# Allegro board MinnowMax_RevA1.brd (continued)
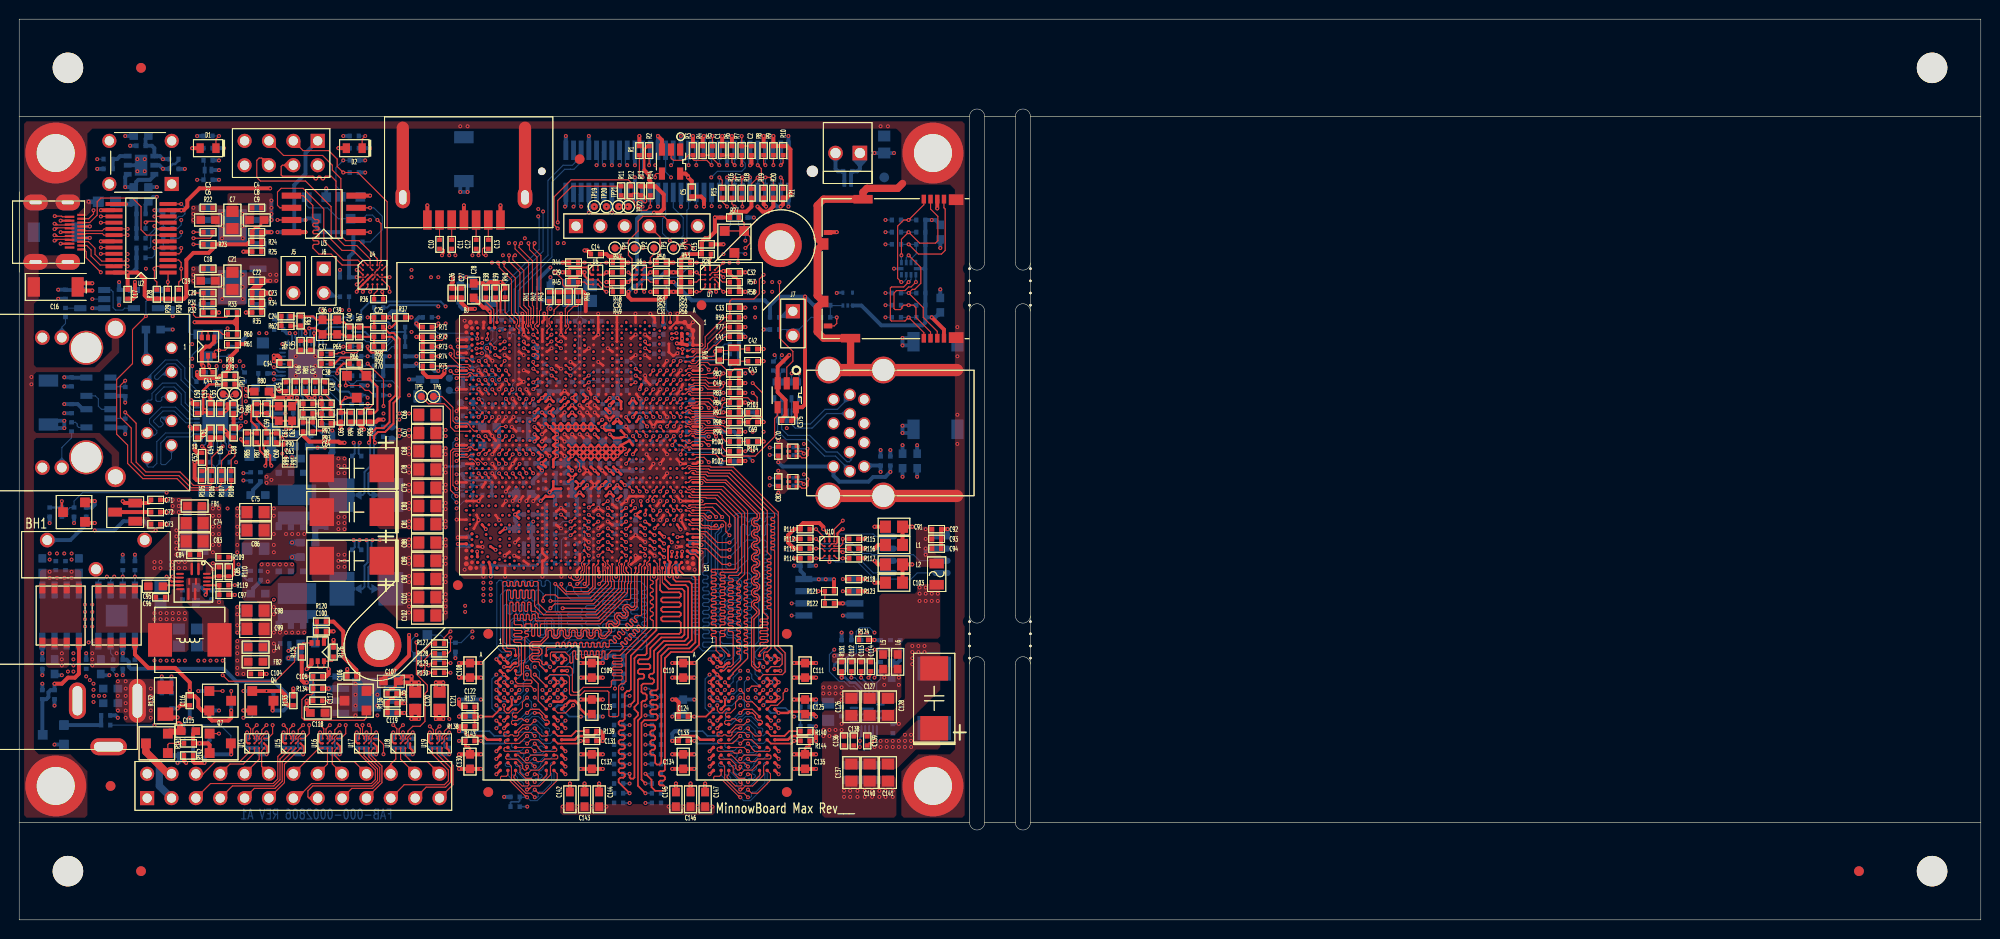
[diagram p0: board, top side]
## Nets (continued)
+V1P35S: C106.2 C107.2 FB3.1 FB4.1 FB5.1 Q5.S(SOURCE) R120.1
+VBAT: BH1.1(P1) BH1.2(P2) R278.1
+VBAT_R: D5.2(A2) R278.2
+VCC: C149.1 C367.2 D2.2(A) Q13.S(SOURCE) R125.1 R226.2 R319.2 R320.2
+VCC3: C14.2 C115.2 C159.2 C162.2 C287.2 FB7.1 P2.4(VDD) Q6.S(SOURCE) R44.2 R47.2 R48.2 R61.1 R78.2 R94.2 R95.2 R96.2 R121.2 R155.2 R156.2 R157.2 R173.2 R174.2 R180.2 R231.1 U22.10(VCC) U23.1(VCC) U33.8(VCC)
+VCC3S: C243.2 C247.2 CPU1.AM27(LPC_V1P8V3P3_S3_AM27) CPU1.AN24(VGA_V3P3_S3_AN24) CPU1.AN27(SD3_V1P8V3P3_S3_AN27) FB7.2
AVDDREG: C230.1 FB8.1 LAN1.23(VDDREG(VDD33))
GND: BH1.3(N) C1.2 C2.1 C3.1 C4.1 C5.1 C6.2 C7.1 C8.1 C14.1 C15.1 C16.1 C17.1 C18.1 C19.2 C20.1 C21.1 C22.1 C25.1 C26.1 C27.1 C28.1 C29.1 C30.1 C31.1 C32.2 C33.2 C34.1 C35.1 C37.1 C38.1 C41.2 C42.1 C43.1 C44.1 C45.2 C46.1 C47.1 C48.1 C49.2 C50.2 C51.2 C52.2 C53.2 C54.2 C55.2 C56.2 C57.2 C58.2 C60.1 C64.2 C65.1 C66.1 C67.1 C68.1 C69.1 C70.1 C71.2 C73.2 C74.1 C75.1 C76.2(N) C77.2(N) C78.1 C79.1 C80.1 C81.1 C82.1 C83.1 C84.1 C85.2 C86.1 C87.2(N) C88.1 C89.1 C90.1 C91.1 C92.1 C93.1 C94.1 C95.1 C96.2 C97.2 C98.1 C99.1 C100.1 C101.1 C102.1 C103.1 C104.1 C105.1 C106.1 C107.1 C108.2 C109.2 C110.2 C111.2 C115.1 C116.1 C117.2 C118.2 C120.2 C121.2 C122.2 C123.2 C124.2 C125.2 C126.1 C127.1 C128.1 C129.2(N) C130.2 C131.2 C132.2 C133.2 C134.2 C135.2 C136.1 C137.1 C138.1 C139.1 C140.1 C141.1 C142.2 C143.2 C144.2 C145.2 C146.2 C147.2 C148.2 C149.2 C150.2 C151.1 C153.2 C154.1 C155.1 C156.1 C157.2 C158.1 C159.1 C160.1 C161.1 C162.1 C163.2 C164.1 C165.1 C166.1 C167.1 C168.1 C169.1 C170.2 C171.2 C172.2 C173.2 C174.2 C175.1 C176.1 C181.2 C182.2 C183.2 C184.1 C186.2 C193.2 C194.2 C195.1 C196.1 C197.2 C198.1 C199.2 C200.2 C201.2 C202.1 C203.1 C209.1 C210.1 C212.1 C213.1 C214.1 C215.2 C216.2 C217.2 C218.2 C219.2 C220.2 C221.2 C222.2 C223.2 C224.2 C225.2 C230.2 C231.1 C232.1 C233.1 C236.1 C237.1 C238.1 C239.1 C240.1 C241.1 C242.1 C243.1 C244.1 C245.2 C246.2 C247.1 C248.1 C249.1 C250.2 C251.2 C252.2 C253.2 C254.2 C255.2 C256.2 C257.2 C258.2 C259.2 C260.2 C261.1 C262.2 C263.2 C264.2 C265.2 C266.1 C267.2 C268.1 C269.1 C270.1 C271.1 C272.1 C273.1 C274.2 C275.2 C276.1 C277.2 C278.1 C279.2 C280.1 C281.1 C282.1 C284.2 C285.1 C286.1 C287.1 C288.2 C289.2 C290.1 C291.1 C292.1 C293.2 C294.2 C295.2 C296.1 C297.1 C298.1 C299.1 C300.1 C301.1 C302.1 C303.2 C304.2 C305.1 C307.1 C308.1 C311.1 C312.1 C313.1 C314.1 C315.1 C316.1 C317.1 C318.2 C319.2 C320.2 C321.2 C322.2 C323.1 C324.1 C326.1 C327.1 C328.1 C329.2 C330.2 C332.2 C333.2 C334.2 C335.1 C336.1 C337.1 C338.1 C339.1 C340.2 C341.1 C342.1 C343.1 C344.2 C345.2 C346.1 C347.1 C348.1 C349.1 C350.1 C351.1 C352.1 C353.1 C354.1 C355.1 C356.1 C357.1 C358.1 C359.1 C360.2 C361.1 C362.1 C363.2 C364.2 C365.2 C366.2 C367.1 C368.2 C369.2 C370.2 C371.2 C372.2 C373.2 C374.1 C375.1 CPU1.A3(VSS_A3_A3) CPU1.A5(VSS_A5_A5) CPU1.A6(VSS_A6_A6) CPU1.A11(VSS1) CPU1.A15(VSS2) CPU1.A19(VSS3) CPU1.A23(VSS4) CPU1.A27(VSS5) CPU1.A31(VSS6) CPU1.A35(VSS7) CPU1.A39(VSS8) CPU1.A43(VSS9) CPU1.A47(VSS10) CPU1.A49(VSS_A49_A49) CPU1.A51(VSS_A51_A51) CPU1.A52(VSS_A52_A52) CPU1.AA1(VSS11) CPU1.AA3(VSS15) CPU1.AA16(VSS12) CPU1.AA19(VSS13) CPU1.AA21(VSS14) CPU1.AA32(VSS16) CPU1.AA35(VSS17) CPU1.AA38(VSS18) CPU1.AA53(VSS19) CPU1.AB4(VSS21) CPU1.AB6(VSS28) CPU1.AB10(VSS20) CPU1.AB41(VSS22) CPU1.AB45(VSS23) CPU1.AB47(VSS24) CPU1.AB48(VSS25) CPU1.AB50(VSS26) CPU1.AB51(VSS27) CPU1.AC16(VSS29) CPU1.AC18(VSS30) CPU1.AC19(VSS31) CPU1.AC21(VSS32) CPU1.AC25(VSS33) CPU1.AC33(VSS34) CPU1.AC35(VSS35) CPU1.AC36(VSS36) CPU1.AC38(VSS37) CPU1.AD7(VSS44) CPU1.AD19(VSS38) CPU1.AD21(VSS39) CPU1.AD25(VSS40) CPU1.AD32(VSS41) CPU1.AD33(VSS42) CPU1.AD47(VSS43) CPU1.AE1(VSS45) CPU1.AE3(VSS49) CPU1.AE4(VSS50) CPU1.AE6(VSS60) CPU1.AE8(VSS61) CPU1.AE9(VSS62) CPU1.AE11(VSS46) CPU1.AE12(VSS47) CPU1.AE14(VSS48) CPU1.AE40(VSS51) CPU1.AE42(VSS52) CPU1.AE43(VSS53) CPU1.AE45(VSS54) CPU1.AE46(VSS55) CPU1.AE48(VSS56) CPU1.AE50(VSS57) CPU1.AE51(VSS58) CPU1.AE53(VSS59) CPU1.AF10(VSS63) CPU1.AF12(VSS64) CPU1.AF25(VSS65) CPU1.AF32(VSS66) CPU1.AF47(VSS67) CPU1.AG16(VSS68) CPU1.AG25(VSS69) CPU1.AG36(VSS70) CPU1.AG38(VSS71) CPU1.AH4(VSS72) CPU1.AH6(VSS110) CPU1.AH7(VSS75) CPU1.AH9(VSS76) CPU1.AH41(VSS73) CPU1.AH45(VSS74) CPU1.AH47(VSS106) CPU1.AH48(VSS107) CPU1.AH50(VSS108) CPU1.AH51(VSS109) CPU1.AJ1(VSS77) CPU1.AJ3(VSS83) CPU1.AJ16(VSS78) CPU1.AJ21(VSS79) CPU1.AJ25(VSS80) CPU1.AJ27(VSS81) CPU1.AJ29(VSS82) CPU1.AJ30(VSS84) CPU1.AJ32(VSS85) CPU1.AJ33(VSS86) CPU1.AJ35(VSS87) CPU1.AJ38(VSS88) CPU1.AJ53(VSS89) CPU1.AK10(VSS90) CPU1.AK14(VSS91) CPU1.AK16(VSS92) CPU1.AK33(VSS93) CPU1.AK41(VSS94) CPU1.AK44(VSS95) CPU1.AM7(VSS113) CPU1.AM12(VSS96) CPU1.AM19(VSS97) CPU1.AM24(VSS98) CPU1.AM25(VSS99) CPU1.AM29(VSS100) CPU1.AM33(VSS101) CPU1.AM35(VSS102) CPU1.AM36(VSS103) CPU1.AM40(VSS104) CPU1.AM44(VSS111) CPU1.AM51(VSS112) CPU1.AN1(VSS114) CPU1.AN3(VSS119) CPU1.AN5(VSS131) CPU1.AN6(VSS134) CPU1.AN8(VSS135) CPU1.AN9(VSS136) CPU1.AN11(VSS115) CPU1.AN12(VSS116) CPU1.AN14(VSS117) CPU1.AN16(VSSA_AN16) CPU1.AN22(VSS118) CPU1.AN33(VSS120) CPU1.AN35(VSS121) CPU1.AN36(VSS122) CPU1.AN38(VSS123) CPU1.AN40(VSS124) CPU1.AN42(VSS125) CPU1.AN43(VSS126) CPU1.AN45(VSS127) CPU1.AN46(VSS128) CPU1.AN48(VSS129) CPU1.AN49(VSS130) CPU1.AN51(VSS132) CPU1.AN53(VSS133) CPU1.AP40(VSS137) CPU1.AT4(VSS146) CPU1.AT12(VSS138) CPU1.AT16(VSS139) CPU1.AT19(VSS140) CPU1.AT24(VSS141) CPU1.AT27(VSS142) CPU1.AT30(VSS143) CPU1.AT35(VSS144) CPU1.AT38(VSS145) CPU1.AT47(VSS147) CPU1.AT52(VSS148) CPU1.AU1(VSS149) CPU1.AU3(VSS151) CPU1.AU24(VSS150) CPU1.AU30(VSS152) CPU1.AU38(VSS153) CPU1.AU51(VSS154) CPU1.AV7(VSS167) CPU1.AV12(VSS155) CPU1.AV13(VSS156) CPU1.AV14(VSS157) CPU1.AV18(VSS158) CPU1.AV19(VSS159) CPU1.AV24(VSS160) CPU1.AV27(VSS161) CPU1.AV30(VSS162) CPU1.AV35(VSS163) CPU1.AV38(VSS164) CPU1.AV47(VSS165) CPU1.AV51(VSS166) CPU1.AW3(VSS171) CPU1.AW13(VSS168) CPU1.AW19(VSS169) CPU1.AW27(VSS170) CPU1.AW35(VSS172) CPU1.AY3(VGA_IRTN) CPU1.AY4(VSS177) CPU1.AY9(VSS179) CPU1.AY10(VSS173) CPU1.AY22(VSS174) CPU1.AY32(VSS175) CPU1.AY36(VSS176) CPU1.AY50(VSS178) CPU1.B2(VSS_B2_B2) CPU1.B52(VSS_B52_B52) CPU1.B53(VSS_B53_B53) CPU1.BA14(VSS180) CPU1.BA19(VSS181) CPU1.BA22(VSS182) CPU1.BA27(VSS183) CPU1.BA32(VSS184) CPU1.BA35(VSS185) CPU1.BA40(VSS186) CPU1.BA53(VSS187) CPU1.BB19(VSS188) CPU1.BB27(VSS189) CPU1.BB35(VSS190) CPU1.BC20(VSS191) CPU1.BC22(VSS192) CPU1.BC26(VSS193) CPU1.BC28(VSS194) CPU1.BC32(VSS195) CPU1.BC34(VSS196) CPU1.BC42(VSS197) CPU1.BD19(VSS198) CPU1.BD24(VSS199) CPU1.BD27(VSS200) CPU1.BD30(VSS201) CPU1.BD35(VSS202) CPU1.BE1(VSS_BE1_BE1) CPU1.BE2(VSS204) CPU1.BE8(VSS206) CPU1.BE19(VSS203) CPU1.BE35(VSS205) CPU1.BE53(VSS_BE53_BE53) CPU1.BF4(VSS213) CPU1.BF12(VSS207) CPU1.BF16(VSS208) CPU1.BF24(VSS209) CPU1.BF30(VSS211) CPU1.BF36(VSS212) CPU1.BF38(VSS210) CPU1.BG1(VSS_BG1_BG1) CPU1.BG31(VSS214) CPU1.BG34(VSS215) CPU1.BG39(VSS216) CPU1.BG42(VSS217) CPU1.BG45(VSS218) CPU1.BG49(VSS219) CPU1.BG53(VSS_BG53_BG53) CPU1.BH1(VSS_BH1_BH1) CPU1.BH2(VSS_BH2_BH2) CPU1.BH52(VSS_BH52_BH52) CPU1.BH53(VSS_BH53_BH53) CPU1.BJ2(VSS_BJ2_BJ2) CPU1.BJ3(VSS_BJ3_BJ3) CPU1.BJ5(VSS_BJ5_BJ5) CPU1.BJ7(VSS230) CPU1.BJ11(VSS220) CPU1.BJ15(VSS221) CPU1.BJ19(VSS222) CPU1.BJ23(VSS223) CPU1.BJ27(VSS224) CPU1.BJ31(VSS225) CPU1.BJ35(VSS226) CPU1.BJ39(VSS227) CPU1.BJ43(VSS228) CPU1.BJ47(VSS229) CPU1.BJ49(VSS_BJ49_BJ49) CPU1.BJ51(VSS_BJ51_BJ51) CPU1.BJ52(VSS_BJ52_BJ52) CPU1.C1(VSS_C1_C1) CPU1.C14(VSS231) CPU1.C31(VSS232) CPU1.C34(VSS233) CPU1.C39(VSS234) CPU1.C42(VSS235) CPU1.C45(VSS236) CPU1.C49(VSS237) CPU1.C53(VSS_C53_C53) CPU1.D12(VSS238) CPU1.D16(VSS239) CPU1.D24(VSS240) CPU1.D30(VSS241) CPU1.D36(VSS242) CPU1.D38(VSS243) CPU1.E1(VSS_E1_E1) CPU1.E8(VSS246) CPU1.E19(VSS244) CPU1.E35(VSS245) CPU1.E53(VSS_E53_E53) CPU1.F2(VSS248) CPU1.F5(VSS253) CPU1.F7(VSS254) CPU1.F19(VSS247) CPU1.F24(VSS249) CPU1.F27(VSS250) CPU1.F30(VSS251) CPU1.F35(VSS252) CPU1.G10(VSS255) CPU1.G20(VSS256) CPU1.G22(VSS257) CPU1.G26(VSS258) CPU1.G28(VSS259) CPU1.G30(DDI1_DDCCLK) CPU1.G32(VSS260) CPU1.G34(VSS261) CPU1.G42(VSS262) CPU1.H19(VSS263) CPU1.H27(VSS264) CPU1.H35(VSS265) CPU1.J1(VSS266) CPU1.J16(VSS267) CPU1.J19(VSS268) CPU1.J22(VSS269) CPU1.J27(VSS270) CPU1.J32(VSS271) CPU1.J35(VSS272) CPU1.J40(VSS273) CPU1.J53(VSS274) CPU1.K4(VSS279) CPU1.K9(VSS281) CPU1.K14(VSS275) CPU1.K22(VSS276) CPU1.K30(DDI1_HPD) CPU1.K32(VSS277) CPU1.K36(VSS278) CPU1.K50(VSS280) CPU1.L13(VSS282) CPU1.L19(VSS283) CPU1.L27(VSS284) CPU1.L35(VSS285) CPU1.M19(VSS286) CPU1.M26(VSS287) CPU1.M27(VSS288) CPU1.M28(VSS105) CPU1.M34(VSS289) CPU1.M35(VSS290) CPU1.M38(VSS291) CPU1.M47(VSS292) CPU1.M51(VSS293) CPU1.N1(VSS294) CPU1.N16(VSS295) CPU1.N38(VSS296) CPU1.N51(VSS297) CPU1.P4(VSS306) CPU1.P9(VSS309) CPU1.P13(VSS298) CPU1.P16(VSS299) CPU1.P19(VSS300) CPU1.P20(VSS301) CPU1.P24(VSS302) CPU1.P32(VSS303) CPU1.P35(VSS304) CPU1.P38(VSS305) CPU1.P47(VSS307) CPU1.P52(VSS308) CPU1.T40(VSS310) CPU1.U1(VSS311) CPU1.U3(VSS316) CPU1.U5(VSS326) CPU1.U6(VSS329) CPU1.U8(VSS330) CPU1.U9(VSS331) CPU1.U11(VSS312) CPU1.U12(VSS313) CPU1.U14(VSS314) CPU1.U16(USB_VSSA_U16) CPU1.U21(VSS315) CPU1.U30(VSS317) CPU1.U32(VSS318) CPU1.U40(VSS319) CPU1.U42(VSS320) CPU1.U43(VSS321) CPU1.U45(VSS322) CPU1.U46(VSS323) CPU1.U48(VSS324) CPU1.U49(VSS325) CPU1.U51(VSS327) CPU1.U53(VSS328) CPU1.V7(VSS340) CPU1.V12(VSS332) CPU1.V16(VSS333) CPU1.V19(VSS334) CPU1.V21(VSS335) CPU1.V35(VSS336) CPU1.V40(VSS337) CPU1.V44(VSS338) CPU1.V51(VSS339) CPU1.Y7(VSS349) CPU1.Y9(VSS350) CPU1.Y10(VSS341) CPU1.Y14(VSS342) CPU1.Y16(VSS343) CPU1.Y21(VSS344) CPU1.Y25(VSS345) CPU1.Y33(VSS346) CPU1.Y41(VSS347) CPU1.Y44(VSS348) D7.N D9.N FB9.2 FB10.2 FB12.1 J1.2 J2.2 J3.1 J3.4 J3.7 J4.1 J5.2 J8.1 J8.D2 J8.D4 J9.2 J9.3 J10.1 J10.2 J10.13 J10.14 J10.25 J10.26 J10.37 J10.38 J10.49 J10.50 J10.59 J10.60 JP1.1 JP1.2 LAN1.33(GND) MEM1.A9(VSS9) MEM1.B1(VSSQ1) MEM1.B3(VSS6) MEM1.B9(VSSQ7) MEM1.D1(VSSQ2) MEM1.D8(VSSQ5) MEM1.E1(VSS1) MEM1.E2(VSSQ4) MEM1.E8(VSSQ6) MEM1.F9(VSSQ8) MEM1.G1(VSSQ3) MEM1.G8(VSS7) MEM1.G9(VSSQ9) MEM1.J2(VSS5) MEM1.J8(VSS8) MEM1.M1(VSS2) MEM1.M9(VSS10) MEM1.P1(VSS3) MEM1.P9(VSS11) MEM1.T1(VSS4) MEM1.T9(VSS12) MEM2.A9(VSS9) MEM2.B1(VSSQ1) MEM2.B3(VSS6) MEM2.B9(VSSQ7) MEM2.D1(VSSQ2) MEM2.D8(VSSQ5) MEM2.E1(VSS1) MEM2.E2(VSSQ4) MEM2.E8(VSSQ6) MEM2.F9(VSSQ8) MEM2.G1(VSSQ3) MEM2.G8(VSS7) MEM2.G9(VSSQ9) MEM2.J2(VSS5) MEM2.J8(VSS8) MEM2.M1(VSS2) MEM2.M9(VSS10) MEM2.P1(VSS3) MEM2.P9(VSS11) MEM2.T1(VSS4) MEM2.T9(VSS12) MEM3.A9(VSS9) MEM3.B1(VSSQ1) MEM3.B3(VSS6) MEM3.B9(VSSQ7) MEM3.D1(VSSQ2) MEM3.D8(VSSQ5) MEM3.E1(VSS1) MEM3.E2(VSSQ4) MEM3.E8(VSSQ6) MEM3.F9(VSSQ8) MEM3.G1(VSSQ3) MEM3.G8(VSS7) MEM3.G9(VSSQ9) MEM3.J2(VSS5) MEM3.J8(VSS8) MEM3.M1(VSS2) MEM3.M9(VSS10) MEM3.P1(VSS3) MEM3.P9(VSS11) MEM3.T1(VSS4) MEM3.T9(VSS12) MEM4.A9(VSS9) MEM4.B1(VSSQ1) MEM4.B3(VSS6) MEM4.B9(VSSQ7) MEM4.D1(VSSQ2) MEM4.D8(VSSQ5) MEM4.E1(VSS1) MEM4.E2(VSSQ4) MEM4.E8(VSSQ6) MEM4.F9(VSSQ8) MEM4.G1(VSSQ3) MEM4.G8(VSS7) MEM4.G9(VSSQ9) MEM4.J2(VSS5) MEM4.J8(VSS8) MEM4.M1(VSS2) MEM4.M9(VSS10) MEM4.P1(VSS3) MEM4.P9(VSS11) MEM4.T1(VSS4) MEM4.T9(VSS12) P1.4(DAT2_S) P1.7(DAT1_S) P1.10(DAT0_S) P1.13(CLK_S) P1.16(DDC/CEC GND) P2.6(VSS) P2.9(GND) Q1.1(E1) Q1.4(E2) Q3.1(E1) Q3.4(E2) Q4.E(EMITTER) Q7.S(SOURCE) Q10.S(SOURCE) Q11.S(SOURCE) Q12.S(SOURCE) Q14.S(SOURCE) R4.1 R8.1 R19.1 R25.1 R31.1 R35.2 R38.2 R39.2 R40.2 R41.1 R42.1 R43.2 R46.2 R50.1 R64.1 R72.2 R73.1 R74.1 R77.1 R79.2 R81.1 R82.2 R102.1 R105.1 R110.1 R112.2 R114.2 R115.1 R117.1 R118.1 R122.2 R123.1 R135.1 R138.1 R139.2 R140.2 R141.1 R145.2 R146.1 R148.1 R153.2 R154.2 R184.1 R185.1 R186.1 R187.1 R189.1 R192.2 R195.1 R199.1 R202.1 R208.2 R212.2 R213.2 R214.2 R215.2 R216.2 R220.1 R221.1 R225.1 R233.2 R234.2 R238.2 R240.1 R241.2 R242.2 R243.2 R244.1 R246.1 R257.2 R258.1 R260.2 R261.2 R272.1 R273.1 R274.1 R280.1 R281.1 R282.2 R284.1 R287.1 R309.2 R325.1 R326.1 R327.2 R332.2 R333.1 SW1.3(B1) SW1.4(B2) U1.3(GND) U2.6(GND1) U2.14(GND2) U2.19(GND3) U3.4(VSS) U4.C3(GND) U4.C4(/EN) U4.D2(COM6) U4.E1(COM5) U5.B1(GND) U6.B1(GND) U7.D2(GND) U8.4(GND) U9.4(GND) U10.D2(GND) U13.2(PGND) U13.14(AGND) U14.D2(GND) U15.D2(GND) U16.D2(GND) U17.D2(GND) U18.D1(B4) U18.D2(GND) U19.D1(B4) U19.D2(GND) U20.2(GND) U20.7(GND_PAD) U21.8(GND1) U21.9(GND2) U22.5(GND) U23.4(GND) U24.8(GND1) U24.9(GND2) U25.3(GND) U26.3(GND) U27.41(THERMAIL GND) U28.3(GND) U29.3(GND1) U29.8(GND2) U30.3(GND) U31.5(S21) U31.6(S22) U31.7(S23) U32.1(GND) U33.3(E2) U33.4(GND) U34.5(S21) U34.6(S22) U34.7(S23) U35.9(GND) U37.10(PGND#10) U37.11(PGND#11) U37.20(PGND#20) U37.21(PGND#21) U38.1(GND) U39.3(GND) Y2.2 Y2.4 Y3.2 Y3.4
GND_EARTH: C16.2 C148.1 C161.2 C169.2 C211.2 C233.2 H1.1(TP) H2.1(TP) H3.1(TP) H4.1(TP) J3.8(MH1) J3.9(MH2) J8.SHLD1 J8.SHLD2 P1.20(MTG1) P1.21(MTG2) P1.22(MTG3) P1.23(MTG4) P2.11(GND3) P2.12(GND4) P2.13(GND5) P2.14(GND6) P2.15(GND7) P2.16(GND8) R145.1 USB1.MH1(SHIELD1) USB1.MH2(SHIELD2) USB1.MH3(SHIELD3) USB1.MH4(SHIELD4)
V1P0S_PG: R134.1 R319.1 U38.7(POK)
VBUS1: C82.2 C91.2 C235.2 L1.2 U9.6(VBUS) USB1.1(VBUSA)
VBUS2: C70.2 C103.2 C234.2 L2.2 U8.6(VBUS) USB1.10(VBUSB)
VCC_CRT_V1P35: C28.2 C164.2 CPU1.BD1(VGA_V1P35_S3_F1_BD1) FB4.2
VCC_DRAM: C257.1 C258.1 C264.1 C265.1 CPU1.AA36(DRAM_V1P0_S0IX_AA36) CPU1.AD35(DRAM_V1P0_S0IX_AD35) CPU1.AF35(DRAM_V1P0_S0IX_AF35) CPU1.AF36(DRAM_V1P0_S0IX_AF36) CPU1.AJ36(DRAM_V1P0_S0IX_AJ36) CPU1.AK35(DRAM_V1P0_S0IX_AK35) CPU1.AK36(DRAM_V1P0_S0IX_AK36) CPU1.Y35(DRAM_V1P0_S0IX_Y35) CPU1.Y36(DRAM_V1P0_S0IX_Y36) R265.2
VCC_ICLK_V1P35: C26.2 C27.2 CPU1.AG18(ICLK_V1P35_S3_F2) CPU1.AJ19(ICLK_V1P35_S3_F1_AJ19) FB5.2
VCC_SENSE: CPU1.P28(CORE_VCC_SENSE_P28) R91.1
VCC_SENSE_R: C63.2 C64.1 R89.1 R91.2 R93.2
VCC_UNCORE_V1P35: C163.1 C197.1 C256.1 C259.1 C260.1 C262.1 CPU1.AA25(UNCORE_V1P35_S0IX_F5_AA25) CPU1.AD36(DRAM_V1P35_S0IX_F1_AD36) CPU1.AF19(UNCORE_V1P35_S0IX_F6) CPU1.AG19(UNCORE_V1P35_S0IX_F1_AG19) CPU1.AG32(UNCORE_V1P35_S0IX_F2_AG32) CPU1.U36(UNCORE_V1P35_S0IX_F4_U36) CPU1.V36(UNCORE_V1P35_S0IX_F3_V36) FB3.2
VCC_VIS_V1P0: C201.1 C216.1 C224.1 C225.1 C246.1 CPU1.AF21(UNCORE_V1P0_S0IX_AF21) CPU1.AG21(UNCORE_V1P0_S0IX_AG21) CPU1.AN29(UNCORE_V1P0_S0IX_AN29) CPU1.AN30(UNCORE_V1P0_S0IX_AN30) CPU1.V24(UNCORE_V1P0_S0IX_V24) CPU1.Y22(UNCORE_V1P0_S0IX_Y22) CPU1.Y24(UNCORE_V1P0_S0IX_Y24) R222.2
VCC_VSS_V1P2: CPU1.AD16(VSS_AD16) CPU1.AD18(VSS_AD18) R216.1
VCCGT_SENSE: CPU1.BB8(UNCORE_VNN_SENSE) R178.1
VCCGT_SENSE_R: C186.1 C187.2 R37.1 R178.2 R200.2
VDD1.0: C50.1 C51.1 C54.1 C56.1 C57.1 C58.1 C251.1 L8.2 LAN1.3(AVDD10(NC)) LAN1.8(AVDD10_1) LAN1.22(DVDD10(NC)) LAN1.30(AVDD10)
VSS_SENSE: CPU1.N28(CORE_VSS_SENSE_N28) R248.1
1P0V_EN: R306.2 U38.8(EN)
1P5V_EN_B: Q3.5(B2) Q3.6(C1) R126.2
1P8V_EN: Q3.3(C2) R22.1 R125.2
1P35V_EN: C105.2 Q5.G(GATE) R134.2
1P35V_PWG: C100.2 Q3.2(B1) R120.2
+CG_VIN: C45.1 R251.1 U27.20(VIN)
+CORE_VCCP: C34.2 R205.1 U27.26(VCCP)
+CORE_VDD: C46.2 R80.1 U27.19(VDD)
+HDMI_CRT_VCC: C157.1 L7.1(P1) R154.1 R169.2 R170.2 U2.13(5V_OUT)
+PS_3VSB: C3.2 C6.1 C18.2 C19.1 C96.1 C156.2 C307.2 C308.2 C314.2 C315.2 C316.2 C317.2 C347.2 D5.1(A1) L3.2 R33.1 R60.1 R289.2 U12.5(D1) U12.6(D2) U12.7(D3) U12.8(D4) U13.7(VOUT) U19.A2(VCCB) U20.1(VIN1) U20.6(VIN2) U21.3(VIN) U21.4(VDD) U24.3(VIN) U24.4(VDD)
+PS_3VSB_PG: D6.1 R119.1 U13.4(PG)
+PS_5VSB: C73.1 C150.1 C299.2 C300.2 C301.2 C302.2 C323.2 D1.2(A) FB1.1 FB11.1 Q2.1(A1) R149.2 R288.2 R307.2 R321.2 U11.5(D1) U11.6(D2) U11.7(D3) U11.8(D4) U35.2(VSB) U36.5(D1) U36.6(D2) U36.7(D3) U36.8(D4)
+RTCVCC: C212.2 C286.2 CPU1.P22(RTC_VCC_P22) D5.3(C) R7.2 R279.1
+USBVCC: C92.2 C93.2 C94.2 F1.2 R111.2 R113.2 U10.A2(VCCB) U32.2(IN)
+VCORE: C87.1(P) C88.2 C89.2 C90.2 C101.2 C102.2 C237.2 C238.2 C239.2 C240.2 C241.2 C279.1 C294.1 C295.1 C303.1 C304.1 CPU1.AA27(CORE_VCC_S0IX_AA27) CPU1.AA29(CORE_VCC_S0IX_AA29) CPU1.AA30(CORE_VCC_S0IX_AA30) CPU1.AC27(CORE_VCC_S0IX_AC27) CPU1.AC29(CORE_VCC_S0IX_AC29) CPU1.AC30(CORE_VCC_S0IX_AC30) CPU1.AD27(CORE_VCC_S0IX_AD27) CPU1.AD29(CORE_VCC_S0IX_AD29) CPU1.AD30(CORE_VCC_S0IX_AD30) CPU1.AF27(CORE_VCC_S0IX_AF27) CPU1.AF29(CORE_VCC_S0IX_AF29) CPU1.AG27(CORE_VCC_S0IX_AG27) CPU1.AG29(CORE_VCC_S0IX_AG29) CPU1.AG30(CORE_VCC_S0IX_AG30) CPU1.P26(CORE_VCC_S0IX_P26) CPU1.P27(CORE_VCC_S0IX_P27) CPU1.U27(CORE_VCC_S0IX_U27) CPU1.U29(CORE_VCC_S0IX_U29) CPU1.V27(CORE_VCC_S0IX_V27) CPU1.V29(CORE_VCC_S0IX_V29) CPU1.V30(CORE_VCC_S0IX_V30) CPU1.Y27(CORE_VCC_S0IX_Y27) CPU1.Y29(CORE_VCC_S0IX_Y29) CPU1.Y30(CORE_VCC_S0IX_Y30) L10.2 R89.2 SP3.2
+VDIMM: C108.1 C109.1 C110.1 C111.1 C118.1 C123.1 C125.1 C129.1(P) C130.1 C132.1 C134.1 C135.1 C136.2 C137.2 C138.2 C139.2 C140.2 C141.2 C267.1 C271.2 C272.2 C276.2 C277.1 C288.1 C289.1 C293.1 C310.2 C318.1 C319.1 C321.1 C322.1 C330.1 C333.1 C336.2 C359.2 C360.1 C363.1 C364.1 C365.1 C366.1 CPU1.A48(DRAM_VDD_S4) CPU1.AK38(DRAM_VDD_S4_AK38) CPU1.AM38(DRAM_VDD_S4_AM38) CPU1.AV41(DRAM_VDD_S4_AV41) CPU1.AV42(DRAM_VDD_S4_AV42) CPU1.BB46(DRAM_VDD_S4_BB46) CPU1.BD49(DRAM_VDD_S4_BD49) CPU1.BD52(DRAM_VDD_S4_BD52) CPU1.BD53(DRAM_VDD_S4_BD53) CPU1.BF44(DRAM_VDD_S4_BF44) CPU1.BG51(DRAM_VDD_S4_BG51) CPU1.BJ48(DRAM_VDD_S4_BJ48) CPU1.C51(DRAM_VDD_S4_C51) CPU1.D44(DRAM_VDD_S4_D44) CPU1.F49(DRAM_VDD_S4_F49) CPU1.F52(DRAM_VDD_S4_F52) CPU1.F53(DRAM_VDD_S4_F53) CPU1.H46(DRAM_VDD_S4_H46) CPU1.M41(DRAM_VDD_S4_M41) CPU1.M42(DRAM_VDD_S4_M42) CPU1.V38(DRAM_VDD_S4_V38) CPU1.Y38(DRAM_VDD_S4_Y38) L11.2 MEM1.A1(VDDQ1) MEM1.A8(VDDQ5) MEM1.B2(VDD8) MEM1.C1(VDDQ2) MEM1.C9(VDDQ6) MEM1.D2(VDDQ9) MEM1.D9(VDD4) MEM1.E9(VDDQ7) MEM1.F1(VDDQ3) MEM1.G7(VDD1) MEM1.H2(VDDQ4) MEM1.H9(VDDQ8) MEM1.K2(VDD9) MEM1.K8(VDD2) MEM1.N1(VDD6) MEM1.N9(VDD3) MEM1.R1(VDD7) MEM1.R9(VDD5) MEM2.A1(VDDQ1) MEM2.A8(VDDQ5) MEM2.B2(VDD8) MEM2.C1(VDDQ2) MEM2.C9(VDDQ6) MEM2.D2(VDDQ9) MEM2.D9(VDD4) MEM2.E9(VDDQ7) MEM2.F1(VDDQ3) MEM2.G7(VDD1) MEM2.H2(VDDQ4) MEM2.H9(VDDQ8) MEM2.K2(VDD9) MEM2.K8(VDD2) MEM2.N1(VDD6) MEM2.N9(VDD3) MEM2.R1(VDD7) MEM2.R9(VDD5) MEM3.A1(VDDQ1) MEM3.A8(VDDQ5) MEM3.B2(VDD8) MEM3.C1(VDDQ2) MEM3.C9(VDDQ6) MEM3.D2(VDDQ9) MEM3.D9(VDD4) MEM3.E9(VDDQ7) MEM3.F1(VDDQ3) MEM3.G7(VDD1) MEM3.H2(VDDQ4) MEM3.H9(VDDQ8) MEM3.K2(VDD9) MEM3.K8(VDD2) MEM3.N1(VDD6) MEM3.N9(VDD3) MEM3.R1(VDD7) MEM3.R9(VDD5) MEM4.A1(VDDQ1) MEM4.A8(VDDQ5) MEM4.B2(VDD8) MEM4.C1(VDDQ2) MEM4.C9(VDDQ6) MEM4.D2(VDDQ9) MEM4.D9(VDD4) MEM4.E9(VDDQ7) MEM4.F1(VDDQ3) MEM4.G7(VDD1) MEM4.H2(VDDQ4) MEM4.H9(VDDQ8) MEM4.K2(VDD9) MEM4.K8(VDD2) MEM4.N1(VDD6) MEM4.N9(VDD3) MEM4.R1(VDD7) MEM4.R9(VDD5) Q5.D(DRAIN) R124.2 R137.1 R143.1 R144.1 R275.1 R283.1 R294.2 R295.2 R310.1 U37.5(VDDQSEN) U37.6(VINLDO) U38.5(VIN#5) U38.9(VIN#9)
+VDIMM_VTT: C142.1 C143.1 C144.1 C145.1 C146.1 C147.1 C343.2 C361.2 C362.2 C368.1 C369.1 C370.1 C371.1 C372.1 C373.1 R311.2 R312.2 R313.2 R314.2 R315.2 R316.2 R317.2 R318.2 R328.2 R329.2 R330.2 R331.2 R341.2 R342.2 R343.2 R344.2 R345.2 R346.2 R347.2 R348.2 R349.2 R350.2 R351.2 R352.2 U37.7(VTT) U37.9(VTTSEN)
+VGFX: C66.2 C67.2 C68.2 C76.1(P) C77.1(P) C78.2 C79.2 C80.2 C81.2 C218.1 C219.1 C221.1 C248.2 C249.2 C268.2 C269.2 C278.2 CPU1.AA24(UNCORE_VNN_S3_AA24) CPU1.AC22(UNCORE_VNN_S3_AC22) CPU1.AC24(UNCORE_VNN_S3_AC24) CPU1.AD22(UNCORE_VNN_S3_AD22) CPU1.AD24(UNCORE_VNN_S3_AD24) CPU1.AF22(UNCORE_VNN_S3_AF22) CPU1.AF24(UNCORE_VNN_S3_AF24) CPU1.AG22(UNCORE_VNN_S3_AG22) CPU1.AG24(UNCORE_VNN_S3_AG24) CPU1.AJ22(UNCORE_VNN_S3_AJ22) CPU1.AJ24(UNCORE_VNN_S3_AJ24) CPU1.AK22(UNCORE_VNN_S3_AK22) CPU1.AK24(UNCORE_VNN_S3_AK24) CPU1.AK25(UNCORE_VNN_S3_AK25) CPU1.AK27(UNCORE_VNN_S3_AK27) CPU1.AK29(UNCORE_VNN_S3_AK29) CPU1.AK30(UNCORE_VNN_S3_AK30) CPU1.AK32(UNCORE_VNN_S3_AK32) CPU1.AM22(UNCORE_VNN_S3_AM22) L9.2 R37.2 SP1.2
/SD3_PWREN: CPU1.BD22(S\D\3\_\P\W\R\E\N\) TP11.1
ACTIVE-LED: C231.2 R106.2 U26.2(B) U30.2(B)
ALERT_L: R227.2 U27.4(ALERT#)
AUGND2: C211.1 C234.1 C235.1 FB9.1 FB10.1 USB1.4(GNDA) USB1.7(GND_DRAIN) USB1.13(GNDB)
BOM_OP1: CPU1.C16(GPIO_S5_5) R211.2 R233.1
BOM_OP2: CPU1.B14(GPIO_S5_6) R208.1 R209.2
BOM_OP3: CPU1.C15(GPIO_S5_7) R210.2 R234.1
BOOT1: R230.1 U27.21(BOOT)
BOOT_R: C204.1 R230.2
BOOTG: R204.1 U27.34(BOOTG)
BOOTG_R: C190.1 R204.2
BRTCX1: C43.2 CPU1.C9(ILB_RTC_X1) R76.2 Y1.2
BRTCX2: C42.2 CPU1.A9(ILB_RTC_X2) R76.1 Y1.1
BUF2_PWR: R48.1 U5.B2(VCCB)
BUF3_PWR: R51.1 U6.B2(VCCB)
BVCCRTC_EXTPAD: C41.1 CPU1.B8(ILB_RTC_EXTPAD)
C_HDMI_CEC: P1.15(CEC) U2.7(CEC_B)
C_HDMI_HPD: P1.1(HPLG) U2.10(HPD_B)
C_HDMI_SCL: P1.17(SCL) R170.1 U2.8(SCL_B)
C_HDMI_SDA: P1.18(SDA) R169.1 U2.9(SDA_B)
CLKREQ0_B: CPU1.BG3(P\C\I\E\_\C\L\K\R\E\Q\_\0\) R191.1
CLKREQ1_B: CPU1.BD7(P\C\I\E\_\C\L\K\R\E\Q\_\1\) R190.1
COMP_RC: C227.1 R247.2
COMP_RC1: C48.2 R92.1
COMP_RC2: C63.1 R90.2
COMP_VW: C226.2 R245.2 U27.10(VW)
COMPG: C185.2 C188.2 C189.1 R195.2 R198.1 U27.40(COMPG)
COMPG_RC: C188.1 R194.2
COMPG_RC1: C184.2 R193.1
COMPG_RC2: C187.1 R196.2
CORE_SDA: R201.2 U27.3(SDA)
CRT_CLK: CPU1.BC1(VGA_DDCCLK) R39.1
CRT_DAT: CPU1.BC2(VGA_DDCDATA) R38.1
D5_0V_HDMI: L7.2(P2) P1.19(+5V)
DBG_UART3_RXD: J4.4 R50.2 U6.A2(B1)
DBG_UART3_TXD: J4.5 U6.A1(B2)
DC_GATE_ENB: C325.1 R309.1 U36.4(G)
DC_IN_1: C337.2 C339.2 J9.1 L12.2 L13.2 R132.2
DDI1_DDCDAT: CPU1.P30(DDI1_DDCDATA) R257.1
DDI_RCOMP_N: CPU1.AK12(DDI0_RCOMP_P) R217.1
DDI_RCOMP_P: CPU1.AK13(D\D\I\0\_\R\C\O\M\P\) R217.2
DDP_1V8: C160.2 C165.2 J1.1 Q8.D(DRAIN) R152.1 R163.1 R164.1 R165.1 U3.8(VCC) U4.C2(V+)
DDP_IO3L: D8.1(A1) J1.8 R147.2
DDP_SPI_CLK: J1.4 U4.B3(NC1)
DDP_SPI_CS: J1.3 R152.2 U4.B5(NC4)
DDP_SPI_MISO: J1.5 U4.A4(NC3)
DDP_SPI_MOSI: J1.6 U4.A2(NC2)
DDR3L_VIN: C126.2 C127.2 C128.2 C327.2 C328.2 L5.2 L6.2 U37.12(VIN1) U37.19(VIN2)
DDR_BST: C309.2 R298.2
DDR_E0: R118.2 U33.1(E0)
DDR_E1: R123.2 U33.2(E1)
DDR_PHASE: C309.1 L11.1 R292.1 U37.2(SW1) U37.3(SW2)
DDR_RCMP: C310.1 R292.2 R303.1
DDR_SMB_CLK: R44.1 U5.A1(B2) U33.6(SCL) U35.6(SCLK)
DDR_SMB_DATA: R47.1 U5.A2(B1) U33.5(SDA) U35.5(SDA)
DDR_WP_A: R121.1 R122.1 U33.7(W\C\)
DDRAGND_SIGNAL: C112.1 C113.1 C114.1 FB12.2 R131.1 U37.8(AGND)
DIMM_FB: R131.2 R294.1 R303.2 U37.14(FB)
DRAM_CORE_PWROK: CPU1.AB42(DRAM_CORE_PWROK) D12.3 R295.1
DRAM_PWROK: R293.2 R301.2 U37.13(PG)
DRAM_RCOMP0: CPU1.AD44(DRAM_RCOMP_00) R280.2
DRAM_RCOMP1: CPU1.AF45(DRAM_RCOMP_11) R284.2
DRAM_RCOMP2: CPU1.AD45(DRAM_RCOMP_22) R281.2
DRAM_S4_PWROK: C290.2 CPU1.AD42(DRAM_VDD_S4_PWROK) R124.1 R293.1
DRAM_VCC: C113.2 R299.1 R301.1 U37.16(VCC)
DRAM_VDD_CLK: C291.2 C292.2 CPU1.AD38(DRAM_VDD_S4_AD38) CPU1.AF38(DRAM_VDD_S4_AF38) R275.2
DRAM_VREF: C275.1 CPU1.AF44(DRAM_VREF) R282.1 R283.2
ELL: R207.1 U26.4(Y)
ELR: R252.1 U30.4(Y)
EN_VDDQ: C114.2 R300.2 U37.17(EN2)
EN_VTT: C112.2 R302.2 U37.15(EN1)
ETH_CP: FB6.2 J8.2
EXP_GPIO1: CPU1.K18(GPIO_S5_27) J10.27
EXP_GPIO2: CPU1.K20(GPIO_S5_28) J10.29
EXP_GPIO3: CPU1.M22(GPIO_S5_29) J10.28
EXP_GPIO4: CPU1.M24(GPIO_S5_30) J10.30
FB_V1P0S: C119.1 R135.2 R136.1 U38.2(FB)
FBG: C185.1 R193.2 R194.1 R196.1 R200.1 U27.39(FBG)
FP_PWRBTN: C154.2 D9.P J5.1 R5.2 R149.1 R308.2 SW1.1(A1)
GFX_PG: C37.2 D4.2 R65.1 R95.1
GFX_PG_R: R65.2 U27.2(PGOODG)
GPIO_I2C_SCL: JP1.13 U17.A1(B1)
GPIO_I2C_SDA: JP1.15 U17.B1(B2)
GPIO_NC13: CPU1.A29(RESERVED_A29) R102.2
GPIO_RCOMP: CPU1.N26(GPIO_RCOMP) R238.1
GPIO_S0_SC_55: CPU1.BD12(GPIO_S0_SC_55) TP8.1
GPIO_S0_SC_56: CPU1.BC12(GPIO_S0_SC_56) R189.2 R219.2
GPIO_S0_SC_58: CPU1.BC14(GPIO_S0_SC_58) TP9.1
GPIO_S5_0: JP1.21 U19.A1(B1)
GPIO_S5_1: JP1.23 U19.B1(B2)
GPIO_S5_2: JP1.25 U19.C1(B3)
GPIO_S5_10_UNLOCK: CPU1.C19(GPIO_S5_10) R259.1
GPIO_S514_J20: CPU1.J20(GPIO_S5_14) R237.1
HDA_RCOMP: CPU1.BF20(HDA_LPE_RCOMP) R242.1
HDMI_CEC: R29.1 U2.1(CEC_A)
HDMI_CLK_DN: CPU1.AP2(DDI0_TXN_3) P1.14(CLK-) U2.15(CLK-)
HDMI_CLK_DP: CPU1.AP3(DDI0_TXP_3) P1.12(CLK+) U2.16(CLK+)
HDMI_DCDC_ENB: CPU1.BF14(GPIO_S0_SC_59) R166.2
HDMI_DDCCLK: CPU1.C28(DDI0_DDCCLK) R28.1 U2.2(SCL_A)
HDMI_DDCDAT: CPU1.C26(DDI0_DDCDATA) R30.1 U2.3(SDA_A)
HDMI_HPD: R168.2 U2.4(HPD_A) U39.2(A)
HDMI_HPD_B: CPU1.D27(DDI0_HPD) U39.4(Y)
HDMI_LDSW_ENB: CPU1.BD16(GPIO_S0_SC_60) R167.2
HDMI_TX0_DN: CPU1.AR1(DDI0_TXN_2) P1.11(DAT0-) U2.17(D0-)
HDMI_TX0_DP: CPU1.AR3(DDI0_TXP_2) P1.9(DAT0+) U2.18(D0+)
HDMI_TX1_DN: CPU1.AT3(DDI0_TXN_1) P1.8(DAT1-) U2.20(D1-)
HDMI_TX1_DP: CPU1.AT2(DDI0_TXP_1) P1.6(DAT1+) U2.21(D1+)
HDMI_TX2_DN: CPU1.AV2(DDI0_TXN_0) P1.5(DAT2-) U2.22(D2-)
HDMI_TX2_DP: CPU1.AV3(DDI0_TXP_0) P1.3(DAT2+) U2.23(D2+)
HOOK0: J10.41 R15.2
HOOK1: J10.42 R4.2 R5.1
HOOK2: J10.45 R16.2
HOOK4: J10.51 R18.2
HOOK5: J10.53 R20.2
HOOK6: J10.47 R17.2
HPD_ENB: R166.1 R171.2 U2.12(CT_HPD)
HSIN: C207.1 LAN1.14(HSIN)
HSIP: C208.1 LAN1.13(HSIP)
HSON: C205.1 LAN1.18(HSON)
HSOP: C206.1 LAN1.17(HSOP)
I2C5_SCL: R267.1 R270.2 U17.A3(A1)
I2C5_SDA: R266.1 R269.2 U17.B3(A2)
I2C6_SCL: J10.21 R12.2 R13.1
I2C6_SDA: J10.23 R11.2 R14.1
I2S_CLK_R: R127.1 U16.A3(A1)
I2S_DATIN_R: R128.1 U16.D3(A4)
I2S_DATOUT_R: R130.1 U16.C3(A3)
I2S_FRM_R: R129.1 U16.B3(A2)
I2SCLK_GPIO: JP1.14 U16.A1(B1)
I2SDI_GPIO: JP1.20 U16.D1(B4)
I2SDO_GPIO: JP1.18 U16.C1(B3)
I2SFRM_GPIO: JP1.16 U16.B1(B2)
ICLK_DRAM_TERMN0: CPU1.AH42(ICLK_DRAM_TERM_1) R273.2
ICLK_DRAM_TERMN1: CPU1.AF42(ICLK_DRAM_TERMN_AF42) R274.2
ICLK_ICOMP: CPU1.AD14(ICLK_ICOMP) R215.1
ICLK_RCOMP: CPU1.AD13(ICLK_RCOMP) R214.1
ICLK_SATA_TERMN: CPU1.BC10(RESERVED_VSS5) R74.2
ICLK_SATA_TERMP: CPU1.BB10(RESERVED_VSS4) R73.2
ICLK_USB_TERM_0: CPU1.D10(ICLK_USB_TERM_1) R187.2
ICLK_USB_TERM_1: CPU1.F10(ICLK_USB_TERMN) R186.2
ILB_8254_GPIO: JP1.26 U18.C1(B3)
ILB_8254_SPKR: CPU1.BH12(ILB_8254_SPKR) U18.C3(A3)
ILB_RTC_TESTB: C2.2 CPU1.C11(I\L\B\_\R\T\C\_\T\E\S\T\) J10.48 R7.1
ISOLATEB: LAN1.20(ISOLATEB) R78.1 R79.1